# KiCad board solderCurved.kicad_pcb (continued)
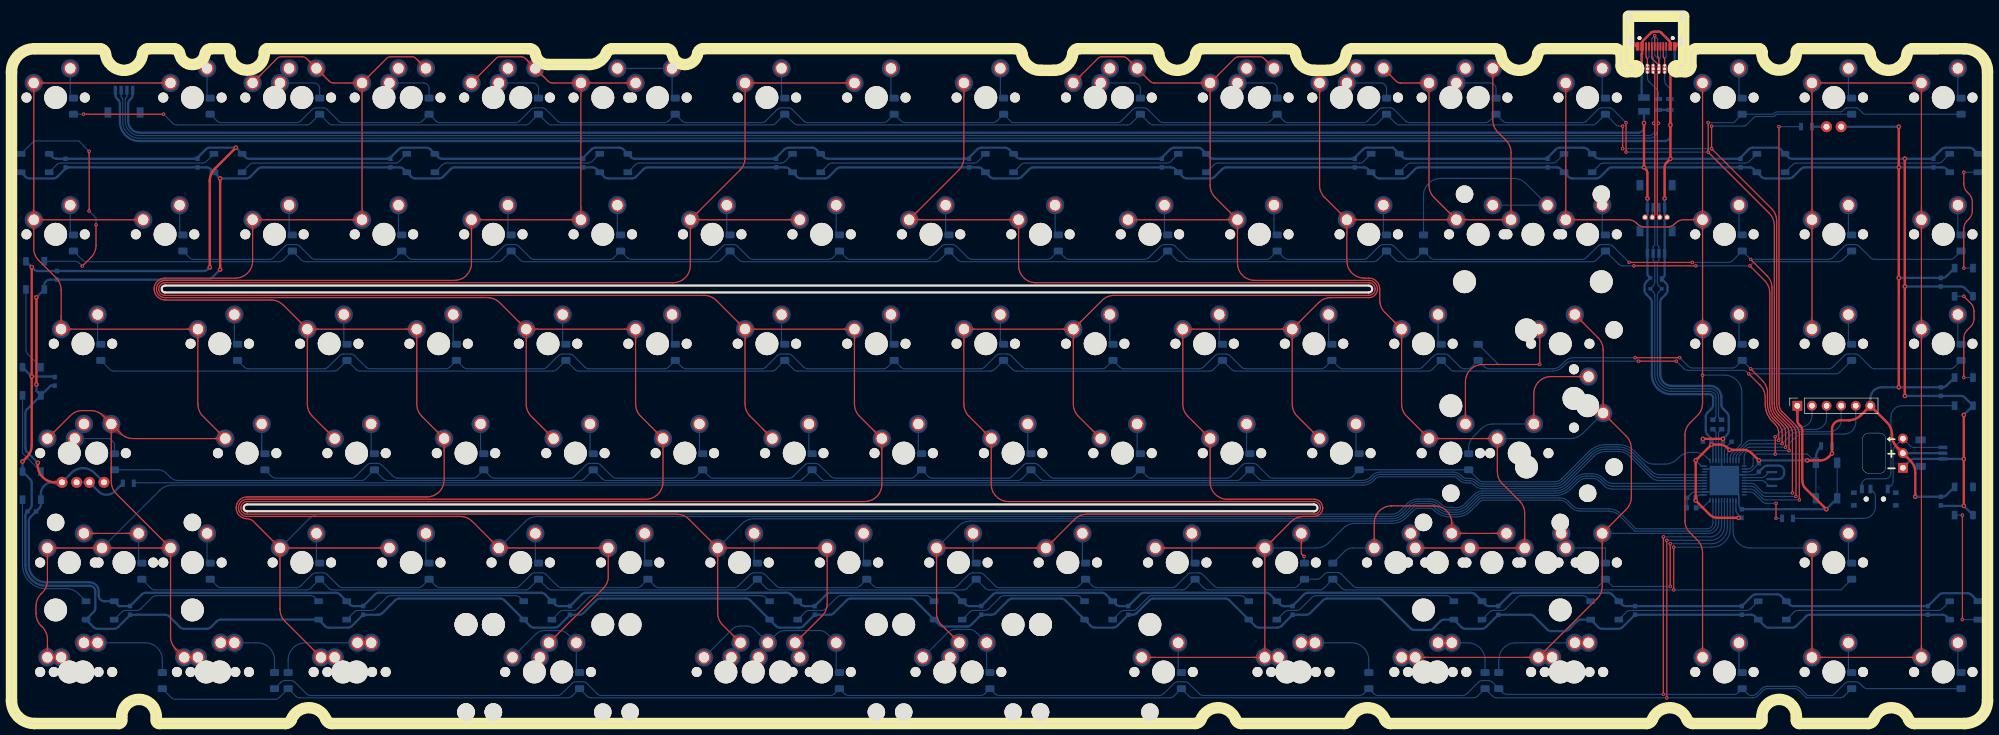
[diagram p0: board, top side]
## Copper pours and planes (outline as drawn; the poured copper is in the pictures) (continued)
Net-(D62-Pad2) on Bottom: 229.4,68.01 229.4,68.15 229.41,68.28 229.42,68.4 229.44,68.51 229.46,68.61 229.49,68.71 229.52,68.8 229.55,68.88 229.59,68.96 229.63,69.04 229.67,69.11 229.71,69.18 229.76,69.24 229.81,69.3 229.86,69.36 229.92,69.43 230.21,69.73 230.27,69.8 230.33,69.87 230.39,69.95 230.45,70.03 230.51,70.11 230.57,70.2 230.63,70.29 230.69,70.4 230.74,70.51 229.3,72 227.86,70.51 227.92,70.4 227.97,70.29 228.03,70.2 228.09,70.11 228.15,70.03 228.21,69.95 228.27,69.87 228.33,69.8 228.39,69.73 228.68,69.43 228.74,69.36 228.79,69.3 228.84,69.24 228.89,69.18 228.93,69.11 228.98,69.04 229.02,68.96 229.05,68.88 229.09,68.8 229.12,68.71 229.14,68.61 229.16,68.51 229.18,68.4 229.19,68.28 229.2,68.15 229.2,68.01
Net-(D62-Pad2) on Bottom: 229.4,68.81 229.4,68.92 229.41,69.01 229.42,69.1 229.43,69.18 229.45,69.26 229.46,69.33 229.49,69.4 229.51,69.46 229.54,69.52 229.56,69.58 229.6,69.63 229.63,69.68 229.66,69.73 229.7,69.78 230.08,70.21 230.12,70.26 230.17,70.32 230.21,70.39 230.25,70.45 230.3,70.52 230.34,70.6 230.38,70.68 229.3,71.8 228.22,70.68 228.26,70.6 228.31,70.52 228.35,70.45 228.39,70.39 228.44,70.32 228.48,70.26 228.53,70.21 228.9,69.78 228.94,69.73 228.97,69.68 229.01,69.63 229.04,69.58 229.07,69.52 229.09,69.46 229.12,69.4 229.14,69.33 229.16,69.26 229.17,69.18 229.19,69.1 229.19,69.01 229.2,68.92 229.2,68.81
Net-(D63-Pad2) on Bottom: 234.16,48.96 234.17,49.1 234.17,49.23 234.19,49.35 234.2,49.46 234.23,49.56 234.25,49.66 234.28,49.75 234.31,49.83 234.35,49.91 234.39,49.99 234.43,50.06 234.48,50.13 234.52,50.19 234.58,50.25 234.63,50.31 234.68,50.38 234.97,50.68 235.03,50.75 235.09,50.82 235.15,50.9 235.21,50.98 235.27,51.06 235.33,51.15 235.39,51.24 235.45,51.35 235.5,51.46 234.06,52.95 232.62,51.46 232.68,51.35 232.74,51.24 232.8,51.15 232.85,51.06 232.91,50.98 232.97,50.9 233.04,50.82 233.1,50.75 233.16,50.68 233.45,50.38 233.5,50.31 233.55,50.25 233.6,50.19 233.65,50.13 233.7,50.06 233.74,49.99 233.78,49.91 233.82,49.83 233.85,49.75 233.88,49.66 233.9,49.56 233.92,49.46 233.94,49.35 233.95,49.23 233.96,49.1 233.96,48.96
Net-(D63-Pad2) on Bottom: 234.16,49.76 234.17,49.87 234.17,49.96 234.18,50.05 234.19,50.13 234.21,50.21 234.23,50.28 234.25,50.35 234.27,50.41 234.3,50.47 234.33,50.53 234.36,50.58 234.39,50.63 234.43,50.68 234.46,50.73 234.84,51.16 234.88,51.21 234.93,51.27 234.97,51.34 235.02,51.4 235.06,51.47 235.1,51.55 235.14,51.63 234.06,52.75 232.98,51.63 233.03,51.55 233.07,51.47 233.11,51.4 233.15,51.34 233.2,51.27 233.24,51.21 233.29,51.16 233.67,50.73 233.7,50.68 233.74,50.63 233.77,50.58 233.8,50.53 233.83,50.47 233.86,50.41 233.88,50.35 233.9,50.28 233.92,50.21 233.94,50.13 233.95,50.05 233.96,49.96 233.96,49.87 233.96,49.76
Net-(D64-Pad2) on Top: 224.64,30.71 224.64,30.82 224.65,30.91 224.66,31 224.67,31.08 224.68,31.16 224.7,31.23 224.72,31.3 224.75,31.36 224.77,31.42 224.8,31.48 224.83,31.53 224.87,31.58 224.9,31.63 224.94,31.68 225.32,32.11 225.36,32.16 225.4,32.22 225.45,32.29 225.49,32.35 225.54,32.42 225.58,32.5 225.62,32.58 224.54,33.7 223.46,32.58 223.5,32.5 223.54,32.42 223.59,32.35 223.63,32.29 223.67,32.22 223.72,32.16 223.76,32.11 224.14,31.68 224.18,31.63 224.21,31.58 224.24,31.53 224.28,31.48 224.3,31.42 224.33,31.36 224.36,31.3 224.38,31.23 224.39,31.16 224.41,31.08 224.42,31 224.43,30.91 224.44,30.82 224.44,30.71
Net-(D64-Pad2) on Bottom: 224.93,29.09 224.55,28.18 225.13,27.63 225.57,28.3 225.13,29.09
Net-(D65-Pad2) on Bottom: 253.92,111.63 253.81,111.63 253.72,111.63 253.63,111.64 253.55,111.66 253.47,111.67 253.4,111.69 253.33,111.71 253.27,111.73 253.21,111.76 253.15,111.79 253.1,111.82 253.05,111.85 253,111.89 252.95,111.93 252.52,112.3 252.47,112.35 252.41,112.39 252.35,112.44 252.28,112.48 252.21,112.52 252.13,112.57 252.05,112.61 250.93,111.53 252.05,110.45 252.13,110.49 252.21,110.53 252.28,110.57 252.35,110.62 252.41,110.66 252.47,110.71 252.52,110.75 252.95,111.13 253,111.17 253.05,111.2 253.1,111.23 253.15,111.26 253.21,111.29 253.27,111.32 253.33,111.34 253.4,111.36 253.47,111.38 253.55,111.4 253.63,111.41 253.72,111.42 253.81,111.43 253.92,111.43
Net-(D65-Pad2) on Bottom: 258.34,110.08 257.9,109.15 258.44,108.59 258.98,109.15 258.54,110.08
Net-(D65-Pad2) on Bottom: 254.72,111.63 254.58,111.63 254.45,111.64 254.33,111.65 254.22,111.67 254.12,111.69 254.02,111.71 253.93,111.74 253.85,111.78 253.77,111.81 253.69,111.85 253.62,111.89 253.56,111.94 253.49,111.99 253.43,112.04 253.37,112.09 253.31,112.14 253,112.43 252.93,112.49 252.86,112.56 252.78,112.62 252.71,112.68 252.62,112.74 252.53,112.8 252.44,112.85 252.33,112.91 252.22,112.97 250.73,111.53 252.22,110.09 252.33,110.14 252.44,110.2 252.53,110.26 252.62,110.32 252.71,110.38 252.78,110.44 252.86,110.5 252.93,110.56 253,110.62 253.31,110.91 253.37,110.96 253.43,111.02 253.49,111.07 253.56,111.11 253.62,111.16 253.69,111.2 253.77,111.24 253.85,111.28 253.93,111.31 254.02,111.34 254.12,111.37 254.22,111.39 254.33,111.4 254.45,111.42 254.58,111.42 254.72,111.43
Net-(D66-Pad2) on Bottom: 238.93,87.06 238.93,87.2 238.94,87.33 238.95,87.45 238.97,87.56 238.99,87.66 239.01,87.76 239.04,87.85 239.08,87.93 239.11,88.01 239.15,88.09 239.19,88.16 239.24,88.23 239.29,88.29 239.34,88.35 239.39,88.41 239.44,88.48 239.73,88.78 239.79,88.85 239.86,88.92 239.92,89 239.98,89.08 240.04,89.16 240.1,89.25 240.15,89.34 240.21,89.45 240.27,89.56 238.83,91.05 237.39,89.56 237.44,89.45 237.5,89.34 237.56,89.25 237.62,89.16 237.68,89.08 237.74,89 237.8,88.92 237.86,88.85 237.92,88.78 238.21,88.48 238.26,88.41 238.32,88.35 238.37,88.29 238.41,88.23 238.46,88.16 238.5,88.09 238.54,88.01 238.58,87.93 238.61,87.85 238.64,87.76 238.67,87.66 238.69,87.56 238.7,87.45 238.72,87.33 238.72,87.2 238.73,87.06
Net-(D66-Pad2) on Bottom: 238.93,87.86 238.93,87.97 238.93,88.06 238.94,88.15 238.96,88.23 238.97,88.31 238.99,88.38 239.01,88.45 239.03,88.51 239.06,88.57 239.09,88.63 239.12,88.68 239.15,88.73 239.19,88.78 239.22,88.83 239.6,89.26 239.65,89.31 239.69,89.37 239.74,89.44 239.78,89.5 239.82,89.57 239.87,89.65 239.91,89.73 238.83,90.85 237.75,89.73 237.79,89.65 237.83,89.57 237.87,89.5 237.92,89.44 237.96,89.37 238.01,89.31 238.05,89.26 238.43,88.83 238.46,88.78 238.5,88.73 238.53,88.68 238.56,88.63 238.59,88.57 238.62,88.51 238.64,88.45 238.66,88.38 238.68,88.31 238.7,88.23 238.71,88.15 238.72,88.06 238.72,87.97 238.73,87.86
Net-(D67-Pad2) on Bottom: 248.45,68.81 248.45,68.92 248.46,69.01 248.47,69.1 248.48,69.18 248.5,69.26 248.51,69.33 248.54,69.4 248.56,69.46 248.59,69.52 248.61,69.58 248.65,69.63 248.68,69.68 248.71,69.73 248.75,69.78 249.13,70.21 249.17,70.26 249.22,70.32 249.26,70.39 249.3,70.45 249.35,70.52 249.39,70.6 249.43,70.68 248.35,71.8 247.27,70.68 247.31,70.6 247.36,70.52 247.4,70.45 247.44,70.39 247.49,70.32 247.53,70.26 247.58,70.21 247.95,69.78 247.99,69.73 248.02,69.68 248.06,69.63 248.09,69.58 248.12,69.52 248.14,69.46 248.17,69.4 248.19,69.33 248.21,69.26 248.22,69.18 248.24,69.1 248.24,69.01 248.25,68.92 248.25,68.81
Net-(D67-Pad2) on Bottom: 248.45,68.01 248.45,68.15 248.46,68.28 248.47,68.4 248.49,68.51 248.51,68.61 248.54,68.71 248.57,68.8 248.6,68.88 248.64,68.96 248.68,69.04 248.72,69.11 248.76,69.18 248.81,69.24 248.86,69.3 248.91,69.36 248.97,69.43 249.26,69.73 249.32,69.8 249.38,69.87 249.44,69.95 249.5,70.03 249.56,70.11 249.62,70.2 249.68,70.29 249.74,70.4 249.79,70.51 248.35,72 246.91,70.51 246.97,70.4 247.02,70.29 247.08,70.2 247.14,70.11 247.2,70.03 247.26,69.95 247.32,69.87 247.38,69.8 247.44,69.73 247.73,69.43 247.79,69.36 247.84,69.3 247.89,69.24 247.94,69.18 247.98,69.11 248.03,69.04 248.07,68.96 248.1,68.88 248.14,68.8 248.17,68.71 248.19,68.61 248.21,68.51 248.23,68.4 248.24,68.28 248.25,68.15 248.25,68.01
Net-(D68-Pad2) on Top: 250.4,36.02 250.45,35.91 250.49,35.8 250.51,35.7 250.54,35.6 250.55,35.51 250.56,35.42 250.56,35.34 250.56,35.26 250.55,35.18 250.53,35.11 250.51,35.04 250.49,34.97 250.46,34.9 250.43,34.83 250.39,34.77 250.35,34.7 250.31,34.64 250.27,34.57 249.96,34.15 249.91,34.07 249.86,33.99 249.81,33.91 249.75,33.82 249.7,33.73 249.65,33.63 250.73,32.5 251.81,33.63 250.59,36.1
Net-(D68-Pad2) on Top: 253.12,33.2 253.02,33.21 252.93,33.21 252.84,33.22 252.75,33.23 252.68,33.25 252.6,33.27 252.54,33.29 252.47,33.31 252.41,33.34 252.36,33.37 252.3,33.4 252.25,33.43 252.2,33.47 252.16,33.5 251.73,33.88 251.67,33.93 251.61,33.97 251.55,34.01 251.49,34.06 251.41,34.1 251.34,34.14 251.26,34.18 250.13,33.1 251.26,32.02 251.34,32.07 251.41,32.11 251.49,32.15 251.55,32.2 251.61,32.24 251.67,32.28 251.73,32.33 252.16,32.71 252.2,32.74 252.25,32.78 252.3,32.81 252.36,32.84 252.41,32.87 252.47,32.9 252.54,32.92 252.6,32.94 252.68,32.96 252.75,32.98 252.84,32.99 252.93,33 253.02,33 253.12,33
Net-(D68-Pad2) on Top: 237.14,32.95 237.14,32.85 237.13,32.76 237.12,32.67 237.11,32.59 237.09,32.51 237.08,32.44 237.06,32.37 237.03,32.31 237,32.25 236.98,32.19 236.94,32.14 236.91,32.09 236.88,32.04 236.84,31.99 236.46,31.56 236.42,31.51 236.37,31.45 236.33,31.38 236.29,31.32 236.24,31.25 236.2,31.17 236.16,31.09 237.24,29.96 238.32,31.09 238.28,31.17 238.24,31.25 238.19,31.32 238.15,31.38 238.1,31.45 238.06,31.51 238.02,31.56 237.64,31.99 237.6,32.04 237.57,32.09 237.53,32.14 237.5,32.19 237.47,32.25 237.45,32.31 237.42,32.37 237.4,32.44 237.38,32.51 237.37,32.59 237.36,32.67 237.35,32.76 237.34,32.85 237.34,32.95
Net-(D68-Pad2) on Top: 257.87,33 257.97,33 258.06,33 258.15,32.99 258.24,32.98 258.31,32.96 258.39,32.94 258.45,32.92 258.52,32.9 258.58,32.87 258.63,32.84 258.69,32.81 258.74,32.78 258.79,32.74 258.83,32.71 259.26,32.33 259.32,32.28 259.38,32.24 259.44,32.2 259.51,32.15 259.58,32.11 259.65,32.07 259.73,32.02 260.86,33.1 259.73,34.18 259.65,34.14 259.58,34.1 259.51,34.06 259.44,34.01 259.38,33.97 259.32,33.93 259.26,33.88 258.83,33.5 258.79,33.47 258.74,33.43 258.69,33.4 258.63,33.37 258.58,33.34 258.52,33.31 258.45,33.29 258.39,33.27 258.31,33.25 258.24,33.23 258.15,33.22 258.06,33.21 257.97,33.21 257.87,33.2
Net-(D68-Pad2) on Bottom: 230.8,28.84 229.83,28.49 229.81,27.71 230.59,27.73 230.94,28.7
Net-(D68-Pad2) on Bottom: 234.05,30.46 234.19,30.46 234.31,30.45 234.43,30.44 234.54,30.42 234.65,30.4 234.74,30.38 234.83,30.35 234.92,30.32 235,30.28 235.07,30.24 235.14,30.2 235.21,30.15 235.28,30.1 235.34,30.05 235.4,30 235.46,29.95 235.77,29.66 235.84,29.6 235.91,29.54 235.98,29.48 236.06,29.42 236.14,29.36 236.23,29.3 236.33,29.24 236.43,29.18 236.54,29.12 238.04,30.56 236.54,32 236.43,31.95 236.33,31.89 236.23,31.83 236.14,31.77 236.06,31.71 235.98,31.65 235.91,31.59 235.84,31.53 235.77,31.47 235.46,31.18 235.4,31.13 235.34,31.08 235.28,31.03 235.21,30.98 235.14,30.93 235.07,30.89 235,30.85 234.92,30.81 234.83,30.78 234.74,30.75 234.65,30.73 234.54,30.7 234.43,30.69 234.31,30.67 234.19,30.67 234.05,30.66
Net-(D68-Pad2) on Bottom: 234.85,30.46 234.95,30.46 235.05,30.46 235.13,30.45 235.22,30.44 235.29,30.42 235.37,30.4 235.43,30.38 235.5,30.36 235.56,30.33 235.61,30.3 235.67,30.27 235.72,30.24 235.77,30.2 235.81,30.17 236.24,29.79 236.3,29.74 236.36,29.7 236.42,29.66 236.49,29.61 236.56,29.57 236.63,29.53 236.72,29.48 237.84,30.56 236.72,31.64 236.63,31.6 236.56,31.56 236.49,31.52 236.42,31.47 236.36,31.43 236.3,31.39 236.24,31.34 235.81,30.96 235.77,30.93 235.72,30.89 235.67,30.86 235.61,30.83 235.56,30.8 235.5,30.77 235.43,30.75 235.37,30.73 235.29,30.71 235.22,30.69 235.13,30.68 235.05,30.67 234.95,30.67 234.85,30.66
Net-(D69-Pad2) on Bottom: 236.19,10.06 235.75,9.14 236.29,8.57 236.83,9.14 236.39,10.06
Net-(D69-Pad2) on Bottom: 230.11,14.15 229.97,14.16 229.85,14.16 229.73,14.18 229.62,14.19 229.51,14.22 229.42,14.24 229.33,14.27 229.24,14.3 229.16,14.34 229.09,14.38 229.02,14.42 228.95,14.47 228.88,14.52 228.82,14.57 228.76,14.62 228.7,14.67 228.39,14.96 228.32,15.02 228.25,15.08 228.18,15.14 228.1,15.2 228.02,15.26 227.93,15.32 227.83,15.38 227.73,15.44 227.62,15.49 226.12,14.05 227.62,12.61 227.73,12.67 227.83,12.73 227.93,12.79 228.02,12.85 228.1,12.91 228.18,12.97 228.25,13.03 228.32,13.09 228.39,13.15 228.7,13.44 228.76,13.49 228.82,13.54 228.88,13.59 228.95,13.64 229.02,13.69 229.09,13.73 229.16,13.77 229.24,13.81 229.33,13.84 229.42,13.87 229.51,13.89 229.62,13.91 229.73,13.93 229.85,13.94 229.97,13.95 230.11,13.95
Net-(D69-Pad2) on Bottom: 229.31,14.15 229.21,14.16 229.11,14.16 229.02,14.17 228.94,14.18 228.86,14.2 228.79,14.22 228.72,14.24 228.66,14.26 228.6,14.29 228.55,14.32 228.49,14.35 228.44,14.38 228.39,14.42 228.34,14.45 227.92,14.83 227.86,14.88 227.8,14.92 227.74,14.96 227.67,15.01 227.6,15.05 227.53,15.09 227.44,15.13 226.32,14.05 227.44,12.97 227.53,13.02 227.6,13.06 227.67,13.1 227.74,13.15 227.8,13.19 227.86,13.23 227.92,13.28 228.34,13.66 228.39,13.69 228.44,13.73 228.49,13.76 228.55,13.79 228.6,13.82 228.66,13.85 228.72,13.87 228.79,13.89 228.86,13.91 228.94,13.93 229.02,13.94 229.11,13.95 229.21,13.95 229.31,13.95
Net-(D70-Pad2) on Bottom: 277.03,110.88 277.03,111.01 277.04,111.14 277.05,111.26 277.07,111.37 277.09,111.47 277.11,111.57 277.14,111.66 277.18,111.74 277.21,111.82 277.25,111.9 277.29,111.97 277.34,112.04 277.39,112.1 277.44,112.17 277.49,112.23 277.54,112.29 277.83,112.6 277.89,112.66 277.96,112.73 278.02,112.81 278.08,112.89 278.14,112.97 278.2,113.06 278.25,113.16 278.31,113.26 278.37,113.37 276.93,114.87 275.49,113.37 275.54,113.26 275.6,113.16 275.66,113.06 275.72,112.97 275.78,112.89 275.84,112.81 275.9,112.73 275.96,112.66 276.02,112.6 276.31,112.29 276.36,112.23 276.42,112.17 276.47,112.1 276.51,112.04 276.56,111.97 276.6,111.9 276.64,111.82 276.68,111.74 276.71,111.66 276.74,111.57 276.77,111.47 276.79,111.37 276.8,111.26 276.82,111.14 276.82,111.01 276.83,110.88
Net-(D70-Pad2) on Bottom: 277.03,111.68 277.03,111.78 277.03,111.87 277.04,111.96 277.06,112.05 277.07,112.12 277.09,112.19 277.11,112.26 277.13,112.33 277.16,112.39 277.19,112.44 277.22,112.5 277.25,112.55 277.29,112.6 277.32,112.64 277.7,113.07 277.75,113.13 277.79,113.19 277.84,113.25 277.88,113.31 277.92,113.39 277.97,113.46 278.01,113.54 276.93,114.67 275.85,113.54 275.89,113.46 275.93,113.39 275.97,113.31 276.02,113.25 276.06,113.19 276.11,113.13 276.15,113.07 276.53,112.64 276.56,112.6 276.6,112.55 276.63,112.5 276.66,112.44 276.69,112.39 276.72,112.33 276.74,112.26 276.76,112.19 276.78,112.12 276.8,112.05 276.81,111.96 276.82,111.87 276.82,111.78 276.83,111.68
Net-(D71-Pad2) on Bottom: 265.08,92.44 265.17,92.34 265.25,92.25 265.33,92.15 265.4,92.06 265.45,91.97 265.5,91.89 265.55,91.8 265.58,91.72 265.61,91.64 265.64,91.56 265.66,91.48 265.67,91.4 265.69,91.32 265.7,91.24 265.7,91.16 265.71,91.08 265.72,90.65 265.73,90.56 265.73,90.47 265.74,90.37 265.76,90.28 265.77,90.17 265.79,90.07 265.82,89.96 265.85,89.85 265.89,89.73 267.97,89.69 267.93,91.77 267.81,91.8 267.7,91.84 267.59,91.86 267.48,91.88 267.38,91.9 267.28,91.91 267.19,91.92 267.09,91.93 267,91.94 266.58,91.95 266.5,91.95 266.42,91.96 266.34,91.97 266.26,91.98 266.18,92 266.1,92.02 266.02,92.04 265.94,92.07 265.85,92.11 265.77,92.15 265.68,92.2 265.59,92.26 265.5,92.33 265.41,92.4 265.32,92.49 265.22,92.58
Net-(D71-Pad2) on Bottom: 265.64,91.87 265.71,91.8 265.77,91.73 265.83,91.66 265.88,91.59 265.92,91.53 265.96,91.46 266,91.4 266.02,91.34 266.05,91.28 266.07,91.22 266.08,91.16 266.09,91.1 266.1,91.04 266.11,90.98 266.15,90.41 266.16,90.34 266.17,90.27 266.18,90.19 266.2,90.11 266.22,90.03 266.24,89.95 266.27,89.86 267.83,89.83 267.8,91.39 267.71,91.42 267.62,91.44 267.54,91.46 267.47,91.48 267.39,91.49 267.32,91.5 267.25,91.51 266.68,91.54 266.62,91.55 266.56,91.56 266.5,91.57 266.44,91.59 266.38,91.61 266.32,91.63 266.26,91.66 266.19,91.69 266.13,91.73 266.06,91.77 266,91.82 265.93,91.88 265.86,91.94 265.78,92.02
Net-(D71-Pad2) on Bottom: 265.01,90.15 265.11,90.15 265.21,90.15 265.3,90.14 265.38,90.13 265.46,90.11 265.53,90.09 265.6,90.07 265.66,90.05 265.72,90.02 265.78,89.99 265.83,89.96 265.88,89.93 265.93,89.89 265.98,89.86 266.41,89.48 266.46,89.43 266.52,89.39 266.58,89.35 266.65,89.3 266.72,89.26 266.8,89.22 266.88,89.17 268,90.25 266.88,91.33 266.8,91.29 266.72,91.25 266.65,91.21 266.58,91.16 266.52,91.12 266.46,91.08 266.41,91.03 265.98,90.65 265.93,90.62 265.88,90.58 265.83,90.55 265.78,90.52 265.72,90.49 265.66,90.46 265.6,90.44 265.53,90.42 265.46,90.4 265.38,90.38 265.3,90.37 265.21,90.36 265.11,90.36 265.01,90.35
Net-(D71-Pad2) on Bottom: 245.71,86.26 245.27,85.34 245.81,84.77 246.35,85.34 245.91,86.26
Net-(D71-Pad2) on Bottom: 260.27,90.35 260.16,90.36 260.07,90.36 259.98,90.37 259.9,90.38 259.82,90.4 259.75,90.42 259.68,90.44 259.62,90.46 259.56,90.49 259.5,90.52 259.45,90.55 259.4,90.58 259.35,90.62 259.3,90.65 258.87,91.03 258.82,91.08 258.76,91.12 258.7,91.16 258.63,91.21 258.56,91.25 258.48,91.29 258.4,91.33 257.28,90.25 258.4,89.17 258.48,89.22 258.56,89.26 258.63,89.3 258.7,89.35 258.76,89.39 258.82,89.43 258.87,89.48 259.3,89.86 259.35,89.89 259.4,89.93 259.45,89.96 259.5,89.99 259.56,90.02 259.62,90.05 259.68,90.07 259.75,90.09 259.82,90.11 259.9,90.13 259.98,90.14 260.07,90.15 260.16,90.15 260.27,90.15
Net-(D71-Pad2) on Bottom: 264.21,90.15 264.35,90.15 264.48,90.14 264.59,90.13 264.71,90.11 264.81,90.09 264.9,90.07 265,90.04 265.08,90.01 265.16,89.97 265.23,89.93 265.3,89.89 265.37,89.84 265.44,89.79 265.5,89.74 265.56,89.69 265.62,89.64 265.93,89.35 266,89.29 266.07,89.23 266.14,89.17 266.22,89.11 266.31,89.05 266.4,88.99 266.49,88.93 266.59,88.87 266.7,88.81 268.2,90.25 266.7,91.69 266.59,91.64 266.49,91.58 266.4,91.52 266.31,91.46 266.22,91.4 266.14,91.34 266.07,91.28 266,91.22 265.93,91.16 265.62,90.87 265.56,90.82 265.5,90.77 265.44,90.72 265.37,90.67 265.3,90.62 265.23,90.58 265.16,90.54 265.08,90.5 265,90.47 264.9,90.44 264.81,90.42 264.71,90.39 264.59,90.38 264.48,90.36 264.35,90.36 264.21,90.35
Net-(D71-Pad2) on Bottom: 261.07,90.35 260.93,90.36 260.8,90.36 260.68,90.38 260.57,90.39 260.47,90.42 260.37,90.44 260.28,90.47 260.2,90.5 260.12,90.54 260.04,90.58 259.97,90.62 259.91,90.67 259.84,90.72 259.78,90.77 259.72,90.82 259.66,90.87 259.35,91.16 259.28,91.22 259.21,91.28 259.13,91.34 259.06,91.4 258.97,91.46 258.88,91.52 258.79,91.58 258.68,91.64 258.57,91.69 257.08,90.25 258.57,88.81 258.68,88.87 258.79,88.93 258.88,88.99 258.97,89.05 259.06,89.11 259.13,89.17 259.21,89.23 259.28,89.29 259.35,89.35 259.66,89.64 259.72,89.69 259.78,89.74 259.84,89.79 259.91,89.84 259.97,89.89 260.04,89.93 260.12,89.97 260.2,90.01 260.28,90.04 260.37,90.07 260.47,90.09 260.57,90.11 260.68,90.13 260.8,90.14 260.93,90.15 261.07,90.15
Net-(D72-Pad2) on Top: 266.14,66.28 266.15,66.39 266.15,66.49 266.16,66.59 266.17,66.68 266.19,66.76 266.21,66.84 266.23,66.91 266.25,66.98 266.28,67.04 266.3,67.1 266.33,67.16 266.36,67.22 266.4,67.27 266.68,67.7 266.72,67.76 266.76,67.82 266.79,67.88 266.82,67.95 266.86,68.02 266.89,68.1 266.92,68.18 266.95,68.27 266.97,68.36 265.7,69.25 264.85,67.94 264.91,67.88 264.96,67.81 265.01,67.75 265.07,67.7 265.12,67.64 265.17,67.6 265.6,67.22 265.64,67.18 265.68,67.14 265.71,67.09 265.75,67.05 265.78,67 265.81,66.95 265.84,66.89 265.86,66.83 265.88,66.77 265.9,66.7 265.92,66.63 265.93,66.55 265.94,66.47 265.94,66.38 265.94,66.28
Net-(D72-Pad2) on Top: 253.01,54.54 253.01,54.44 253.01,54.35 253,54.26 252.99,54.18 252.97,54.1 252.95,54.03 252.93,53.96 252.91,53.9 252.88,53.84 252.85,53.78 252.82,53.73 252.79,53.68 252.75,53.63 252.72,53.58 252.34,53.15 252.29,53.1 252.25,53.04 252.2,52.97 252.16,52.91 252.12,52.84 252.08,52.76 252.03,52.68 253.11,51.55 254.19,52.68 254.15,52.76 254.11,52.84 254.07,52.91 254.02,52.97 253.98,53.04 253.94,53.1 253.89,53.15 253.51,53.58 253.48,53.63 253.44,53.68 253.41,53.73 253.38,53.78 253.35,53.84 253.32,53.9 253.3,53.96 253.28,54.03 253.26,54.1 253.24,54.18 253.23,54.26 253.22,54.35 253.22,54.44 253.21,54.54
Net-(D72-Pad2) on Bottom: 256.25,65.25 255.9,66.22 255.12,66.24 255.14,65.46 256.11,65.11
Net-(D73-Pad2) on Top: 272.16,60.31 272.26,60.31 272.35,60.3 272.44,60.29 272.52,60.28 272.6,60.27 272.67,60.25 272.74,60.23 272.8,60.2 272.86,60.18 272.92,60.15 272.97,60.12 273.02,60.08 273.07,60.05 273.12,60.01 273.55,59.63 273.6,59.59 273.66,59.54 273.73,59.5 273.79,59.46 273.86,59.41 273.94,59.37 274.02,59.33 275.15,60.41 274.02,61.49 273.94,61.45 273.86,61.41 273.79,61.36 273.73,61.32 273.66,61.27 273.6,61.23 273.55,61.19 273.12,60.81 273.07,60.77 273.02,60.74 272.97,60.7 272.92,60.67 272.86,60.64 272.8,60.62 272.74,60.59 272.67,60.57 272.6,60.55 272.52,60.54 272.44,60.53 272.35,60.52 272.26,60.51 272.16,60.51
Net-(D73-Pad2) on Top: 264.92,54.54 264.92,54.44 264.91,54.35 264.9,54.26 264.89,54.18 264.88,54.1 264.86,54.03 264.84,53.96 264.81,53.9 264.79,53.84 264.76,53.78 264.73,53.73 264.69,53.68 264.66,53.63 264.62,53.58 264.24,53.15 264.2,53.1 264.16,53.04 264.11,52.97 264.07,52.91 264.02,52.84 263.98,52.76 263.94,52.68 265.02,51.55 266.1,52.68 266.06,52.76 266.02,52.84 265.97,52.91 265.93,52.97 265.89,53.04 265.84,53.1 265.8,53.15 265.42,53.58 265.38,53.63 265.35,53.68 265.31,53.73 265.28,53.78 265.25,53.84 265.23,53.9 265.2,53.96 265.18,54.03 265.16,54.1 265.15,54.18 265.14,54.26 265.13,54.35 265.12,54.44 265.12,54.54
Net-(D73-Pad2) on Bottom: 262.63,52.05 262.73,52.05 262.83,52.05 262.92,52.04 263,52.03 263.08,52.01 263.15,51.99 263.22,51.97 263.28,51.95 263.34,51.92 263.4,51.89 263.45,51.86 263.5,51.83 263.55,51.79 263.6,51.76 264.02,51.38 264.08,51.33 264.14,51.29 264.2,51.25 264.27,51.2 264.34,51.16 264.42,51.12 264.5,51.07 265.62,52.15 264.5,53.23 264.42,53.19 264.34,53.15 264.27,53.11 264.2,53.06 264.14,53.02 264.08,52.98 264.02,52.93 263.6,52.55 263.55,52.52 263.5,52.48 263.45,52.45 263.4,52.42 263.34,52.39 263.28,52.36 263.22,52.34 263.15,52.32 263.08,52.3 263,52.28 262.92,52.27 262.83,52.26 262.73,52.26 262.63,52.25
Net-(D73-Pad2) on Bottom: 261.83,52.05 261.97,52.05 262.09,52.04 262.21,52.03 262.32,52.01 262.43,51.99 262.52,51.97 262.61,51.94 262.7,51.91 262.78,51.87 262.85,51.83 262.92,51.79 262.99,51.74 263.06,51.69 263.12,51.64 263.18,51.59 263.24,51.54 263.55,51.25 263.62,51.19 263.69,51.13 263.76,51.07 263.84,51.01 263.93,50.95 264.01,50.89 264.11,50.83 264.21,50.77 264.32,50.71 265.82,52.15 264.32,53.59 264.21,53.54 264.11,53.48 264.01,53.42 263.93,53.36 263.84,53.3 263.76,53.24 263.69,53.18 263.62,53.12 263.55,53.06 263.24,52.77 263.18,52.72 263.12,52.67 263.06,52.62 262.99,52.57 262.92,52.52 262.85,52.48 262.78,52.44 262.7,52.4 262.61,52.37 262.52,52.34 262.43,52.32 262.32,52.29 262.21,52.28 262.09,52.26 261.97,52.26 261.83,52.25
Net-(D73-Pad2) on Bottom: 253.63,48.51 253.13,47.24 253.67,46.67 254.21,47.24 253.8,48.2 253.8,48.24 253.8,48.3 253.81,48.35 253.82,48.41 253.83,48.47
Net-(D74-Pad2) on Bottom: 272.97,30.66 272.86,30.67 272.77,30.67 272.68,30.68 272.6,30.69 272.52,30.71 272.45,30.73 272.38,30.75 272.32,30.77 272.26,30.8 272.2,30.83 272.15,30.86 272.1,30.89 272.05,30.93 272,30.96 271.57,31.34 271.52,31.39 271.46,31.43 271.4,31.47 271.33,31.52 271.26,31.56 271.18,31.6 271.1,31.64 269.98,30.56 271.1,29.48 271.18,29.53 271.26,29.57 271.33,29.61 271.4,29.66 271.46,29.7 271.52,29.74 271.57,29.79 272,30.17 272.05,30.2 272.1,30.24 272.15,30.27 272.2,30.3 272.26,30.33 272.32,30.36 272.38,30.38 272.45,30.4 272.52,30.42 272.6,30.44 272.68,30.45 272.77,30.46 272.86,30.46 272.97,30.46
Net-(D74-Pad2) on Bottom: 273.77,30.66 273.63,30.67 273.5,30.67 273.38,30.69 273.27,30.7 273.17,30.73 273.07,30.75 272.98,30.78 272.9,30.81 272.82,30.85 272.74,30.89 272.67,30.93 272.61,30.98 272.54,31.03 272.48,31.08 272.42,31.13 272.36,31.18 272.05,31.47 271.98,31.53 271.91,31.59 271.83,31.65 271.76,31.71 271.67,31.77 271.58,31.83 271.49,31.89 271.38,31.95 271.27,32 269.78,30.56 271.27,29.12 271.38,29.18 271.49,29.24 271.58,29.3 271.67,29.36 271.76,29.42 271.83,29.48 271.91,29.54 271.98,29.6 272.05,29.66 272.36,29.95 272.42,30 272.48,30.05 272.54,30.1 272.61,30.15 272.67,30.2 272.74,30.24 272.82,30.28 272.9,30.32 272.98,30.35 273.07,30.38 273.17,30.4 273.27,30.42 273.38,30.44 273.5,30.45 273.63,30.46 273.77,30.46
Net-(D74-Pad2) on Bottom: 277.39,29.11 276.95,28.19 277.49,27.62 278.03,28.19 277.59,29.11
Net-(D75-Pad2) on Bottom: 253.12,14.15 253.02,14.16 252.93,14.16 252.84,14.17 252.75,14.18 252.68,14.2 252.6,14.22 252.54,14.24 252.47,14.26 252.41,14.29 252.36,14.32 252.3,14.35 252.25,14.38 252.2,14.42 252.16,14.45 251.73,14.83 251.67,14.88 251.61,14.92 251.55,14.96 251.49,15.01 251.41,15.05 251.34,15.09 251.26,15.13 250.13,14.05 251.26,12.97 251.34,13.02 251.41,13.06 251.49,13.1 251.55,13.15 251.61,13.19 251.67,13.23 251.73,13.28 252.16,13.66 252.2,13.69 252.25,13.73 252.3,13.76 252.36,13.79 252.41,13.82 252.47,13.85 252.54,13.87 252.6,13.89 252.68,13.91 252.75,13.93 252.84,13.94 252.93,13.95 253.02,13.95 253.12,13.95
Net-(D75-Pad2) on Bottom: 255.1,13.72 254.94,13.82 254.78,13.91 254.63,13.99 254.49,14.07 254.36,14.14 254.23,14.2 254.1,14.26 253.99,14.31 253.87,14.37 253.76,14.41 253.66,14.46 252.77,14.81 252.66,14.86 252.56,14.9 252.45,14.95 252.34,15.01 252.22,15.06 252.1,15.13 251.97,15.19 251.83,15.27 251.69,15.35 251.55,15.43 249.93,14.05 251.43,12.61 251.58,12.69 251.71,12.76 251.85,12.84 251.98,12.92 252.1,13 252.22,13.08 252.33,13.16 252.66,13.39 252.77,13.46 252.87,13.53 252.97,13.59 253.07,13.65 253.18,13.7 253.28,13.75 253.38,13.8 253.49,13.83 253.59,13.86 253.7,13.89 253.81,13.9 253.92,13.9 254.04,13.9 254.16,13.88 254.29,13.86 254.42,13.82 254.56,13.77 254.7,13.71 254.85,13.64 255,13.55